# KiCad board EKO_Miner_PowerBoard-53667.kicad_pcb (continued)
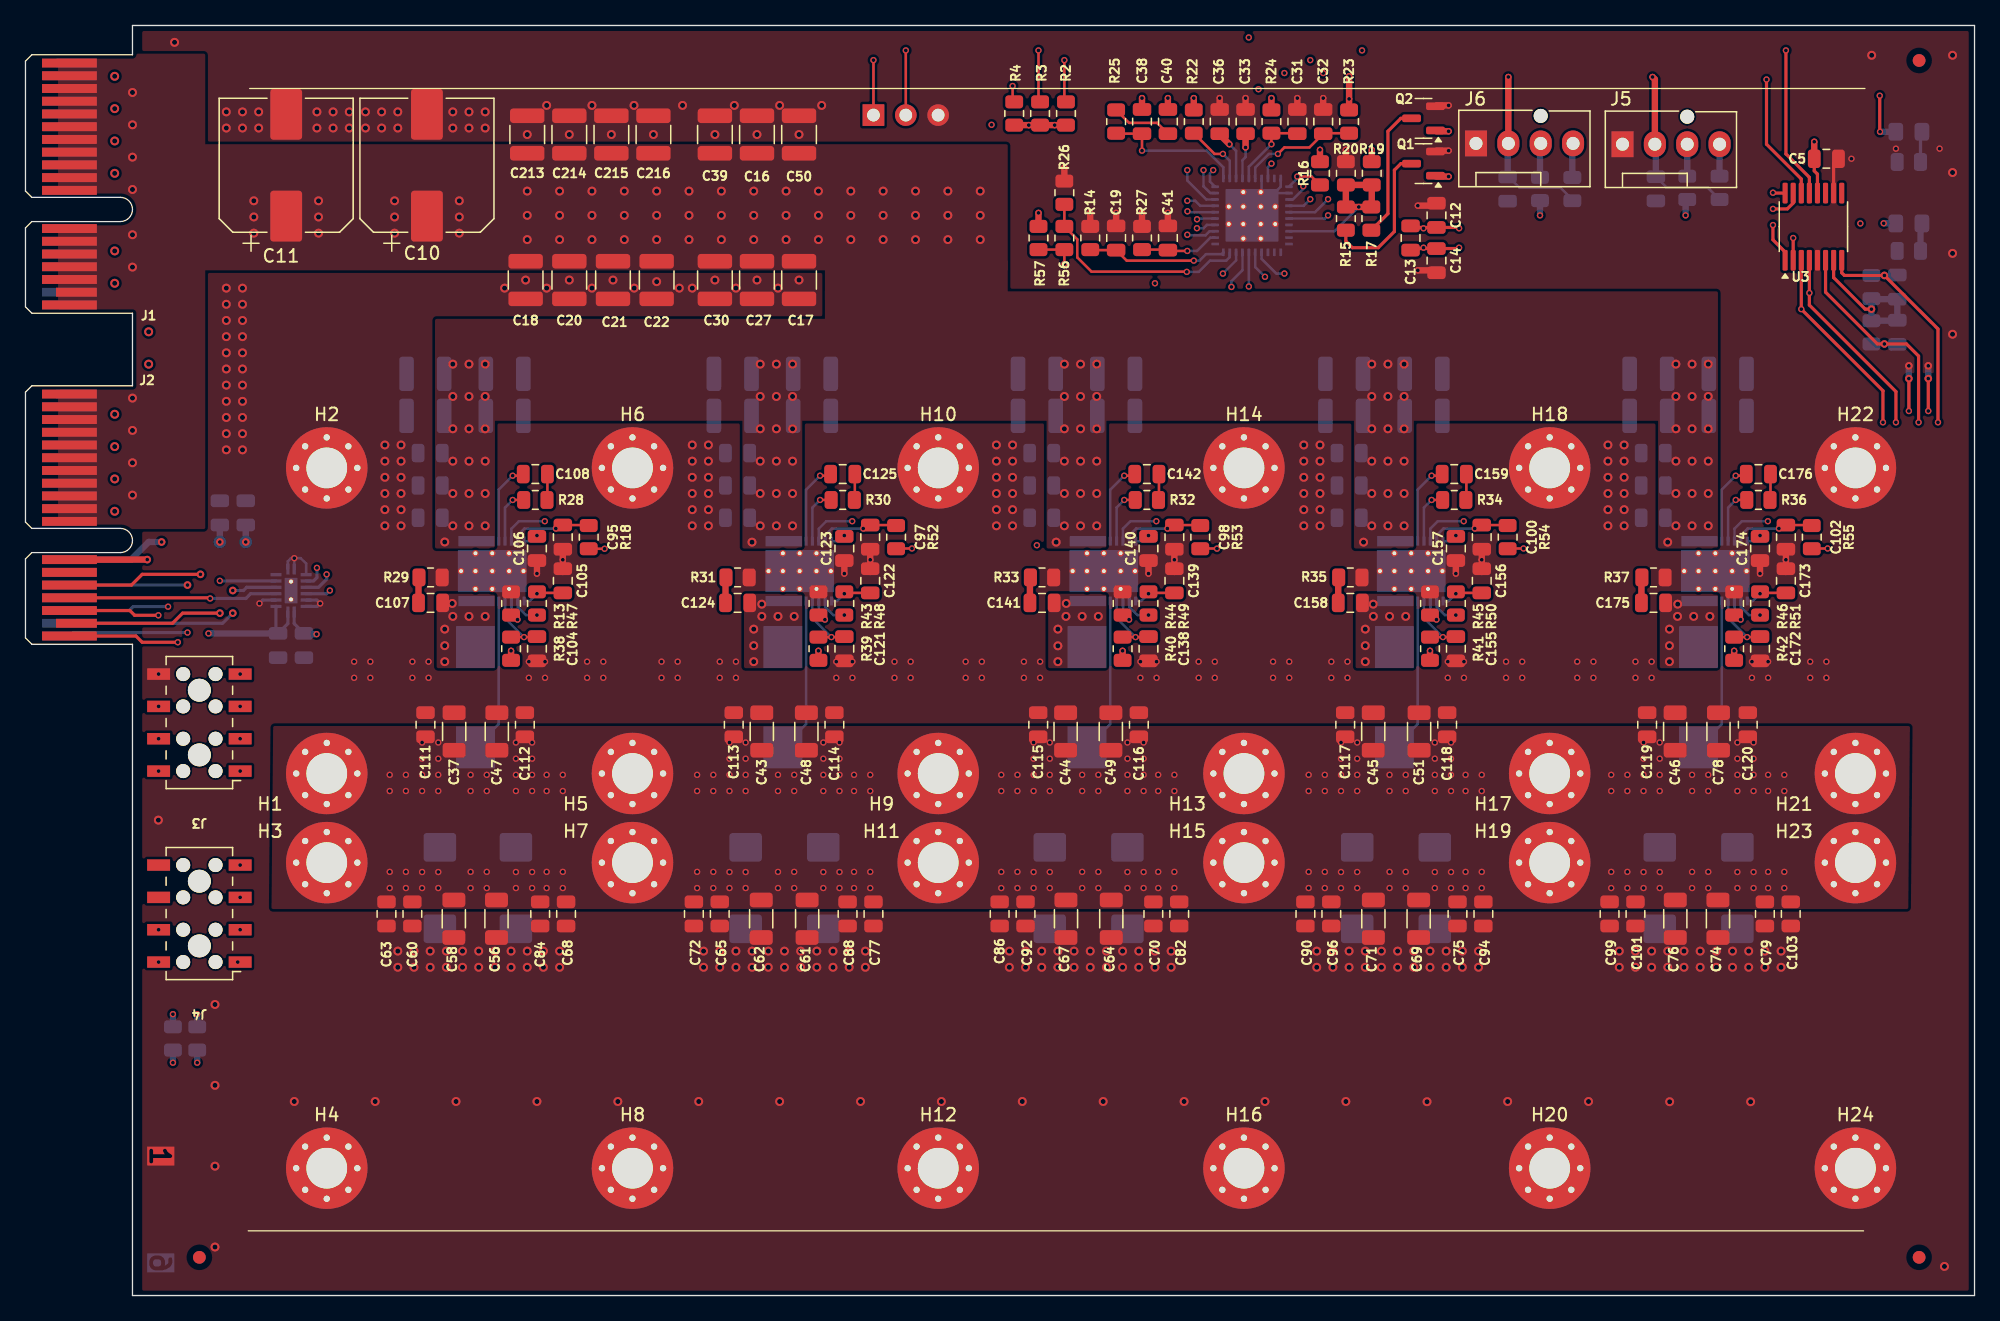
[diagram p0: board, top side]
## Routing (per net, layer and track width the routed paths; a pad name or vN(x,y) marks a point on that pad's centre or on a via; arc(x,y) is an arc through that point) (continued)
/PSU_53667/ADDR-TRISE: length 13.7
  Top w0.5: R17.1 R15.1 R20.1 R19.2 105.68,85.53
  Bottom w0.2: v2(104.67,85.49) 102.76,83.59 U4.28
/PSU_53667/FCCM: length 132.7
  Top w0.2: R57.1 R56.1 v2(81.55,81.03) ; 68.34,58.67 v2(69.59,58.67) ; 92.22,58.67 93.52,58.67 v2(93.53,58.66) ; 116.35,58.67 v2(117.6,58.67) ; 140.23,58.67 v2(141.47,58.67) ; R18.1 v2(45.46,58.65)
  In2.Cu w0.2: v2(79.39,58.93) 79.39,78.87 v2(81.55,81.03)
  In3.Cu w0.2: v2(141.47,58.67) 135.4,58.67 134.78,59.29 130.81,59.29 129.81,58.29 127.63,58.29 126.64,59.29 118.21,59.29 v2(117.6,58.67) 111.4,58.67 110.78,59.29 106.81,59.29 105.94,58.42 103.63,58.42 102.76,59.29 94.16,59.29 v2(93.53,58.66) 93.52,58.67 87.76,58.67 87.15,59.29 82.93,59.29 82.06,58.42 79.9,58.42 v2(79.39,58.93) 69.84,58.93 v2(69.59,58.67) 63.39,58.67 62.78,59.29 58.93,59.29 58.06,58.42 56.03,58.42 55.77,58.67 45.48,58.67 v2(45.46,58.65)
/PSU_53667/TPS_CSP1: length 75.2
  In2.Cu w0.2: v2(91.2,83.31) 78,83.31 71.52,76.84 51.2,76.84 43.2,68.83 43.2,56.49 v2(40.15,53.44)
  Bottom w0.2: U9.2 38.64,54.08 39.28,53.44 v2(40.15,53.44) ; U4.3 92.94,83.59 92.63,83.27 91.25,83.27 v2(91.2,83.31)
/PSU_53667/TPS_CSP2: length 52.3
  In2.Cu w0.2: v2(64.28,53.44) 67.33,56.49 67.33,69.85 79.52,82.04 89.68,82.04 90.23,82.59 91.43,82.59 91.97,83.13 91.97,83.82 v2(91.96,83.83)
  Bottom w0.2: v2(91.96,83.83) 91.97,83.82 92.47,83.82 92.74,84.09 U4.4 ; U10.2 62.77,54.08 63.41,53.44 v2(64.28,53.44)
/PSU_53667/TPS_CSP3: length 37.5
  In2.Cu w0.2: v2(88.16,53.44) 91.2,56.49 91.2,68.2 92.98,69.98 92.98,84.07 92.53,84.53 v2(91.97,84.53)
  Bottom w0.2: v2(88.16,53.44) 87.29,53.44 86.65,54.08 U11.2 ; U4.5 92.03,84.59 v2(91.97,84.53)
/PSU_53667/TPS_CSP4: length 54.9
  In2.Cu w0.2: v2(91.21,85.15) 93.24,85.15 93.55,84.84 98.57,84.84 106.83,76.58 112.54,76.58 115.33,73.79 115.33,56.49 v2(112.29,53.44)
  Bottom w0.2: v2(91.21,85.15) 91.28,85.09 U4.6 ; v2(112.29,53.44) 111.42,53.44 110.78,54.08 U12.2
/PSU_53667/TPS_CSP5: length 77.3
  In2.Cu w0.2: v2(91.2,85.98) 91.33,86.11 99.21,86.11 106.57,78.74 130.76,78.74 139.21,70.29 139.21,56.49 v2(136.16,53.44)
  Bottom w0.2: U13.2 134.66,54.08 135.3,53.44 v2(136.16,53.44) ; v2(91.2,85.98) 91.83,85.98 92.22,85.59 U4.7
/PSU_53667/TPS_PWM1: length 69.3
  In4.Cu w0.2: v2(94,80.26) 90.7,76.96 53.36,76.96 40.77,64.37 v2(40.77,60.81)
  Bottom w0.2: v2(40.77,60.81) 38.73,60.81 38.14,60.22 U9.10 ; v2(94,80.26) 95.03,81.3 U4.38
/PSU_53667/TPS_PWM2: length 68.9
  In4.Cu w0.2: v2(64.9,60.81) 64.9,66.4 66.76,68.26 arc(66.83,68.43) 66.76,68.6 66.39,68.97 arc(66.32,69.14) 66.39,69.31 66.48,69.4 arc(66.65,69.47) 66.82,69.4 67.89,68.32 arc(68.06,68.25) 68.23,68.32 68.31,68.41 arc(68.38,68.58) 68.31,68.75 67.24,69.82 arc(67.17,69.99) 67.24,70.16 67.32,70.24 arc(67.49,70.32) 67.66,70.24 68.74,69.17 arc(68.91,69.1) 69.08,69.17 69.16,69.25 arc(69.23,69.42) 69.16,69.59 68.09,70.67 arc(68.02,70.84) 68.09,71.01 68.17,71.09 arc(68.34,71.16) 68.51,71.09 69.59,70.02 arc(69.76,69.95) 69.93,70.02 70.01,70.1 arc(70.08,70.27) 70.01,70.44 68.94,71.52 arc(68.87,71.69) 68.94,71.86 69.02,71.94 arc(69.19,72.01) 69.36,71.94 70.44,70.87 arc(70.61,70.8) 70.78,70.87 70.86,70.95 arc(70.93,71.12) 70.86,71.29 69.79,72.37 arc(69.71,72.54) 69.79,72.71 69.87,72.79 arc(70.04,72.86) 70.21,72.79 71.28,71.72 arc(71.45,71.65) 71.62,71.72 71.71,71.8 arc(71.78,71.97) 71.71,72.14 70.63,73.21 arc(70.56,73.38) 70.63,73.55 70.72,73.64 arc(70.89,73.71) 71.06,73.64 72.13,72.56 arc(72.3,72.49) 72.47,72.56 72.56,72.65 arc(72.63,72.82) 72.56,72.99 72.19,73.36 arc(72.12,73.53) 72.19,73.7 73.68,75.18 90.64,75.18 v2(94.67,79.21)
  Bottom w0.2: v2(94.67,79.21) 94.67,79.66 95.53,80.53 U4.37 ; U10.10 62.27,60.22 62.86,60.81 v2(64.9,60.81)
/PSU_53667/TPS_PWM3: length 68.4
  In4.Cu w0.2: v2(96.03,79.25) 96.03,77.26 arc(96.1,77.09) 96.27,77.02 97.5,77.02 arc(97.67,76.95) 97.74,76.78 97.74,76.66 arc(97.67,76.49) 97.5,76.42 95.01,76.42 arc(94.84,76.35) 94.77,76.18 94.77,76.06 arc(94.84,75.89) 95.01,75.82 95.79,75.82 arc(95.96,75.75) 96.03,75.58 96.03,74.93 95.51,74.41 arc(95.35,74.34) 95.18,74.41 94.31,75.28 arc(94.14,75.35) 93.97,75.28 93.88,75.2 arc(93.81,75.03) 93.88,74.86 95.96,72.78 arc(96.03,72.61) 95.96,72.44 95.88,72.36 arc(95.71,72.29) 95.54,72.36 93.46,74.44 arc(93.29,74.51) 93.12,74.44 93.03,74.35 arc(92.96,74.18) 93.03,74.01 95.11,71.93 arc(95.18,71.76) 95.11,71.59 95.03,71.51 arc(94.86,71.44) 94.69,71.51 92.61,73.59 arc(92.44,73.66) 92.27,73.59 92.18,73.5 arc(92.11,73.33) 92.18,73.16 94.26,71.08 arc(94.33,70.91) 94.26,70.74 94.18,70.66 arc(94.01,70.59) 93.84,70.66 91.76,72.74 arc(91.59,72.81) 91.42,72.74 91.34,72.65 arc(91.27,72.48) 91.34,72.31 93.41,70.24 arc(93.48,70.07) 93.41,69.9 93.33,69.81 arc(93.16,69.74) 92.99,69.81 90.91,71.89 arc(90.74,71.96) 90.57,71.89 90.49,71.81 arc(90.42,71.64) 90.49,71.47 92.57,69.39 arc(92.64,69.22) 92.57,69.05 92.48,68.96 arc(92.31,68.89) 92.14,68.96 90.06,71.04 arc(89.89,71.11) 89.72,71.04 89.64,70.96 arc(89.57,70.79) 89.64,70.62 90.51,69.75 arc(90.58,69.58) 90.51,69.41 90.19,69.09 90.19,62.23 v2(88.77,60.81)
  Bottom w0.2: U4.36 v2(96.03,79.25) ; U11.10 86.15,60.22 86.74,60.81 v2(88.77,60.81)
/PSU_53667/TPS_PWM4: length 68.4
  In4.Cu w0.2: v2(112.9,60.81) 112.9,63.61 arc(112.97,63.78) 113.14,63.85 113.66,63.85 arc(113.83,63.92) 113.9,64.09 113.9,64.21 arc(113.83,64.38) 113.66,64.45 112.14,64.45 arc(111.97,64.52) 111.9,64.69 111.9,64.81 arc(111.97,64.98) 112.14,65.05 113.66,65.05 arc(113.83,65.12) 113.9,65.29 113.9,65.41 arc(113.83,65.58) 113.66,65.65 112.14,65.65 arc(111.97,65.72) 111.9,65.89 111.9,66.01 arc(111.97,66.18) 112.14,66.25 113.66,66.25 arc(113.83,66.32) 113.9,66.49 113.9,66.61 arc(113.83,66.78) 113.66,66.85 112.14,66.85 arc(111.97,66.92) 111.9,67.09 111.9,67.21 arc(111.97,67.38) 112.14,67.45 113.66,67.45 arc(113.83,67.52) 113.9,67.69 113.9,67.81 arc(113.83,67.98) 113.66,68.05 112.14,68.05 arc(111.97,68.12) 111.9,68.29 111.9,68.41 arc(111.97,68.58) 112.14,68.65 113.66,68.65 arc(113.83,68.72) 113.9,68.89 113.9,69.01 arc(113.83,69.18) 113.66,69.25 112.14,69.25 arc(111.97,69.32) 111.9,69.49 111.9,69.61 arc(111.97,69.78) 112.14,69.85 113.66,69.85 arc(113.83,69.92) 113.9,70.09 113.9,70.21 arc(113.83,70.38) 113.66,70.45 112.14,70.45 arc(111.97,70.52) 111.9,70.69 111.9,70.81 arc(111.97,70.98) 112.14,71.05 113.66,71.05 arc(113.83,71.12) 113.9,71.29 113.9,71.41 arc(113.83,71.58) 113.66,71.65 113.14,71.65 arc(112.97,71.72) 112.9,71.89 112.9,72.54 112.53,72.91 arc(112.45,73.08) 112.53,73.25 112.89,73.62 arc(112.96,73.79) 112.89,73.96 112.81,74.04 arc(112.64,74.11) 112.47,74.04 111.39,72.97 arc(111.22,72.9) 111.05,72.97 110.97,73.05 arc(110.9,73.22) 110.97,73.39 112.04,74.47 arc(112.11,74.64) 112.04,74.81 111.96,74.89 arc(111.79,74.96) 111.62,74.89 110.55,73.82 arc(110.38,73.75) 110.21,73.82 110.12,73.9 arc(110.05,74.07) 110.12,74.24 111.2,75.32 arc(111.27,75.49) 111.2,75.66 111.11,75.74 arc(110.94,75.81) 110.77,75.74 110.4,75.37 arc(110.23,75.3) 110.06,75.37 109.75,75.69 101.62,75.69 v2(97.3,80.01)
  Bottom w0.2: U4.35 96.53,80.78 v2(97.3,80.01) ; U12.10 110.28,60.22 110.87,60.81 v2(112.9,60.81)
/PSU_53667/TPS_PWM5: length 68.9
  In4.Cu w0.2: v2(98.82,80.26) 99.97,80.26 102.25,77.98 125.4,77.98 arc(125.56,78.05) 125.64,78.22 125.64,78.86 arc(125.71,79.03) 125.88,79.1 126,79.1 arc(126.16,79.03) 126.24,78.86 126.24,77.1 arc(126.31,76.93) 126.48,76.86 126.6,76.86 arc(126.76,76.93) 126.84,77.1 126.84,78.86 arc(126.91,79.03) 127.08,79.1 127.2,79.1 arc(127.36,79.03) 127.44,78.86 127.44,77.1 arc(127.51,76.93) 127.68,76.86 127.8,76.86 arc(127.96,76.93) 128.04,77.1 128.04,78.86 arc(128.11,79.03) 128.28,79.1 128.4,79.1 arc(128.56,79.03) 128.64,78.86 128.64,78.22 arc(128.71,78.05) 128.88,77.98 130.32,77.98 136.78,71.52 v2(136.78,60.81)
  Bottom w0.2: U4.34 97.03,81.42 98.19,80.26 v2(98.82,80.26) ; v2(136.78,60.81) 134.75,60.81 134.16,60.22 U13.10
/PSU_53667/TSEN: length 136.5
  Top w0.2: 83.62,82.11 C19.1 86.44,81.28 v2(91.71,81.28)
  In2.Cu w0.2: v2(91.71,81.28) 91.71,72.01 88.16,68.45 v2(88.16,59.69)
  In3.Cu w0.2: v2(40.15,59.69) 56.63,59.69 56.76,59.82 57.3,59.82 57.43,59.69 v2(64.28,59.69) 80.51,59.69 80.64,59.82 81.18,59.82 81.31,59.69 v2(88.16,59.69) 104.64,59.69 104.77,59.82 105.31,59.82 105.44,59.69 v2(112.29,59.69) 128.51,59.69 128.64,59.82 129.18,59.82 129.31,59.69 v2(136.16,59.69)
  Bottom w0.2: U13.12 135.72,59.25 v2(136.16,59.69) ; U11.12 87.71,59.25 v2(88.16,59.69) ; U10.12 63.84,59.25 v2(64.28,59.69) ; v2(112.29,59.69) 111.84,59.25 U12.12 ; U9.12 39.71,59.25 v2(40.15,59.69) ; U4.40 93.89,81.79 92.67,81.79 92.16,81.28 v2(91.71,81.28)
/PSU_53667/VR_RDY: length 60.4
  Top w0.25: v2(145.56,94.23) 145.56,91.42 v2(145.58,91.4)
  In2.Cu w0.2: v2(96.79,94.74) 112.79,94.74 113.3,94.23 v2(145.56,94.23)
  In3.Cu w0.2: v2(96.79,94.74) 96.79,89.92 v2(97.81,88.9)
  Bottom w0.2: v2(97.81,88.9) 97.53,88.63 U4.18
  Bottom w0.5: 146.6,91.4 v2(145.58,91.4)
/PSU_53667/VSENSE+: length 292.8
  Top w0.25: 108.85,83.89 C12.2 112.47,83.89 v2(112.54,83.82)
  In2.Cu w0.2: 92.47,88.38 v2(92.47,88.39)
  In2.Cu w0.25: v2(92.47,88.39) 92.47,88.65 92.8,88.97 93.93,88.97 94.76,88.14 98.06,88.14 99.08,89.15 103.52,89.15 108.86,83.82 v2(109.75,83.82) ; v2(112.54,83.82) 113.11,83.25 129.36,83.25 136.29,76.33 148.35,76.33 151.72,72.96 151.72,5.91 147.09,1.27 19.7,1.27 12.27,8.7 12.27,17.59 v2(11.58,18.29)
  Bottom w0.2: U4.9 93.01,86.59 92.47,87.12 v2(92.47,88.39)
  Bottom w0.5: 11.58,19.3 v2(11.58,18.29)
/PSU_53667/VSENSE-: length 289
  Top w0.25: v2(112.54,82.3) 112.47,82.23 C14.1 108.85,82.23
  In2.Cu w0.25: v2(93.24,88.39) 93.87,88.39 94.57,87.69 98.25,87.69 99.21,88.65 103.4,88.65 v2(109.75,82.3) ; v2(13.48,18.29) 12.72,17.53 12.72,8.89 19.89,1.72 146.9,1.72 151.28,6.1 151.28,72.77 148.17,75.88 136.1,75.88 129.18,82.8 113.05,82.8 v2(112.54,82.3)
  Bottom w0.2: v2(93.24,88.39) 92.98,88.14 92.98,87.49 U4.10
  Bottom w0.5: 13.48,19.3 v2(13.48,18.29)
/RO: length 17.5
  In2.Cu w0.2: v2(16.85,46.27) 18.87,46.27 23.7,51.1 23.7,52.9 22.2,54.4 22.2,56.47 v2(22.88,57.15)
  Bottom w0.25: U2.11 22.61,56.12 22.88,56.39 v2(22.88,57.15)
/RST_ASICn: length 16.4
  Top w0.25: J2.B15 14.44,54.8 v2(14.5,54.75)
  Bottom w0.25: v2(14.5,54.75) 17.3,54.75 17.68,55.12 U2.4
/RST_BUCKn: length 145.3
  Top w0.2: R16.2 100.96,87.88 v2(99.84,87.88)
  In2.Cu w0.25: v3(12.72,55.8) 12.97,56.05 12.97,92.96 16.02,96.01 v2(98.82,96.01)
  In3.Cu w0.2: v2(99.84,87.88) 99.84,92.46 98.82,93.47 v2(98.82,96.01)
  Bottom w0.2: v2(99.84,87.88) 99.84,87.74 U4.21
  Bottom w0.25: J2.A14 v3(12.72,55.8)
/RSTIn: length 19.6
  In2.Cu w0.25: v2(16.85,41.19) 16.85,42.25 24.53,49.92 24.53,54.74 v2(23.89,55.37)
  Bottom w0.25: v2(23.89,55.37) 23.64,55.12 U2.13
/SCL: length 215.5
  Top w0.2: v2(81.55,97.03) 81.55,93.88 ; J9.1 v2(66.57,97.03)
  Top w0.25: U3.14 139.4,87.69 136.67,90.42 v2(136.67,95.5)
  In2.Cu w0.25: v2(136.67,95.5) 129.69,95.5 128.16,97.03 v2(81.55,97.03) 15.77,97.03 12.21,93.47 12.21,57.4 11.19,56.39 v2(11.19,54.1) 11.19,50.55 11.48,50.27 11.48,44.75 v2(10.45,43.73)
  In3.Cu w0.2: v2(100.86,97.03) v2(100.86,86.11)
  Bottom w0.2: v2(100.86,86.11) 100.34,85.59 U4.24
  Bottom w0.25: v2(11.19,54.1) 8.45,54.1 8.15,53.8 J2.A16
/SDA: length 222.4
  Top w0.2: 79.52,93.88 v2(79.52,97.79) ; J9.2 v2(69.11,97.79)
  Top w0.25: v2(138.19,97.79) 138.19,89.66 140.04,87.82 U3.13 ; J2.B16 8.19,53.8 8.57,53.42 v2(10.43,53.42)
  In2.Cu w0.25: v2(10.45,46.27) 11.03,46.84 11.03,49.88 10.43,50.47 v2(10.43,53.42) 10.43,56.9 11.52,57.98 11.52,93.79 15.51,97.79 v2(79.52,97.79) v2(138.19,97.79)
  In3.Cu w0.2: v2(102.25,84.84) 102.76,84.84 104.92,87 v2(104.92,97.79)
  Bottom w0.2: v2(102.25,84.84) 102,84.59 U4.26
/VSN: length 8.9
  In2.Cu w0.5: v2(10.45,28.73) 11.3,27.88 11.3,25.5 13.48,23.32 v2(13.48,22.1)
  Bottom w0.5: 13.48,21.08 v2(13.48,22.1)
/VSP: length 5.6
  In2.Cu w0.5: v2(11.58,22.1) 10.45,23.22 v2(10.45,26.19)
  Bottom w0.5: 11.58,21.08 v2(11.58,22.1)
VPWR_ASIC: length 61.2
  Bottom w0.2: 59.45,43.06 61.28,44.88 61.28,54.54 ; 85.16,54.54 85.16,44.88 L3.2 ; 133.16,54.54 133.16,44.88 L5.2 ; 109.28,54.54 109.28,44.88 L4.2 ; 35.32,43.06 37.15,44.88 37.15,54.54
  vias: v2(28.59,40.89) v2(28.59,39.62) v2(28.59,33.27) v2(28.59,32) v2(29.86,40.89) v2(29.86,39.62) v2(29.86,33.27) v2(29.86,32) v2(31.13,43.43) v2(31.13,42.16) v2(31.13,40.89) v2(31.13,39.62) v2(31.13,33.26) v2(31.13,32) v2(32.4,43.43) v2(32.4,42.16) v2(32.4,40.89) v2(32.4,39.62) v2(32.4,33.26) v2(32.4,32) v2(34.94,40.89) v2(34.94,39.62) v2(34.94,33.27) v2(34.94,32) v2(36.21,40.89) v2(36.21,39.62) v2(36.21,33.27) v2(36.21,32) v2(38.5,43.43) v2(38.5,42.16) v2(38.5,40.89) v2(38.5,39.62) v2(38.5,33.26) v2(38.5,32) v2(39.77,43.43) v2(39.77,42.16) v2(39.77,40.89) v2(39.77,39.62) v2(39.77,33.26) v2(39.77,32) v2(40.91,40.89) v2(40.91,39.62) v2(40.91,33.27) v2(40.91,32) v2(42.18,40.89) v2(42.18,39.62) v2(42.18,33.27) v2(42.18,32) v2(52.72,40.89) v2(52.72,39.62) v2(52.72,33.27) v2(52.72,32) v2(53.99,40.89) v2(53.99,39.62) v2(53.99,33.27) v2(53.99,32) v2(55.26,43.43) v2(55.26,42.16) v2(55.26,40.89) v2(55.26,39.62) v2(55.26,33.26) v2(55.26,32) v2(56.53,43.43) v2(56.53,42.16) v2(56.53,40.89) v2(56.53,39.62) v2(56.53,33.26) v2(56.53,32) v2(59.07,40.89) v2(59.07,39.62) v2(59.07,33.27) v2(59.07,32) v2(60.34,40.89) v2(60.34,39.62) v2(60.34,33.27) v2(60.34,32) v2(62.63,43.43) v2(62.63,42.16) v2(62.63,40.89) v2(62.63,39.62) v2(62.63,33.26) v2(62.63,32) v2(63.9,43.43) v2(63.9,42.16) v2(63.9,40.89) v2(63.9,39.62) v2(63.9,33.26) v2(63.9,32) v2(65.04,40.89) v2(65.04,39.62) v2(65.04,33.27) v2(65.04,32) v2(66.31,40.89) v2(66.31,39.62) v2(66.31,33.27) v2(66.31,32) v2(76.6,40.89) v2(76.6,39.62) v2(76.6,33.27) v2(76.6,32) v2(77.87,40.89) v2(77.87,39.62) v2(77.87,33.27) v2(77.87,32) v2(79.14,43.43) v2(79.14,42.16) v2(79.14,40.89) v2(79.14,39.62) v2(79.14,33.26) v2(79.14,32) v2(80.41,43.43) v2(80.41,42.16) v2(80.41,40.89) v2(80.41,39.62) v2(80.41,33.26) v2(80.41,32) v2(82.95,40.89) v2(82.95,39.62) v2(82.95,33.27) v2(82.95,32) v2(84.22,40.89) v2(84.22,39.62) v2(84.22,33.27) v2(84.22,32) v2(86.5,43.43) v2(86.5,42.16) v2(86.5,40.89) v2(86.5,39.62) v2(86.5,33.26) v2(86.5,32) v2(87.78,43.43) v2(87.78,42.16) v2(87.78,40.89) v2(87.78,39.62) v2(87.77,33.26) v2(87.78,32) v2(88.92,40.89) v2(88.92,39.62) v2(88.92,33.27) v2(88.92,32) v2(90.19,40.89) v2(90.19,39.62) v2(90.19,33.27) v2(90.19,32) v2(100.73,40.89) v2(100.73,39.62) v2(100.73,33.27) v2(100.73,32) v2(102,40.89) v2(102,39.62) v2(102,33.27) v2(102,32) v2(103.27,43.43) v2(103.27,42.16) v2(103.27,40.89) v2(103.27,39.62) v2(103.27,33.26) v2(103.27,32) v2(104.54,43.43) v2(104.54,42.16) v2(104.54,40.89) v2(104.54,39.62) v2(104.54,33.26) v2(104.54,32) v2(107.08,40.89) v2(107.08,39.62) v2(107.08,33.27) v2(107.08,32) v2(108.35,40.89) v2(108.35,39.62) v2(108.35,33.27) v2(108.35,32) v2(110.64,43.43) v2(110.64,42.16) v2(110.64,40.89) v2(110.64,39.62) v2(110.63,33.26) v2(110.64,32) v2(111.91,43.43) v2(111.91,42.16) v2(111.91,40.89) v2(111.91,39.62) v2(111.9,33.26) v2(111.91,32) v2(113.05,40.89) v2(113.05,39.62) v2(113.05,33.27) v2(113.05,32) v2(114.32,40.89) v2(114.32,39.62) v2(114.32,33.27) v2(114.32,32) v2(124.48,40.89) v2(124.48,39.62) v2(124.48,33.27) v2(124.48,32) v2(125.75,40.89) v2(125.75,39.62) v2(125.75,33.27) v2(125.75,32) v2(127.02,43.43) v2(127.02,42.16) v2(127.02,40.89) v2(127.02,39.62) v2(127.02,33.26) v2(127.02,32) v2(128.29,43.43) v2(128.29,42.16) v2(128.29,40.89) v2(128.29,39.62) v2(128.29,33.26) v2(128.29,32) v2(130.83,40.89) v2(130.83,39.62) v2(130.83,33.27) v2(130.83,32) v2(132.1,40.89) v2(132.1,39.62) v2(132.1,33.27) v2(132.1,32) v2(134.38,43.43) v2(134.38,42.16) v2(134.38,40.89) v2(134.38,39.62) v2(134.38,33.26) v2(134.38,32) v2(135.65,43.43) v2(135.65,42.16) v2(135.65,40.89) v2(135.65,39.62) v2(135.65,33.26) v2(135.65,32) v2(136.8,40.89) v2(136.8,39.62) v2(136.8,33.27) v2(136.8,32) v2(138.07,40.89) v2(138.07,39.62) v2(138.07,33.27) v2(138.07,32)
Net-(C40-Pad1): length 4.8
  Top w0.2: C40.1 88.83,92.1 86.63,92.1 R25.1
Net-(C107-Pad2): length 2
  Top w0.5: C107.2 30.85,56.36 R29.2
Net-(C108-Pad1): length 2
  Top w0.2: C108.1 40.97,62.52
Net-(C124-Pad2): length 2
  Top w0.5: C124.2 54.95,56.36 R31.2
Net-(C125-Pad1): length 2
  Top w0.2: C125.1 65.1,62.52
Net-(C141-Pad2): length 2
  Top w0.5: R33.2 78.85,56.36 C141.2
Net-(C142-Pad1): length 2
  Top w0.2: C142.1 88.98,62.52
Net-(C158-Pad2): length 2
  Top w0.5: C158.2 103.05,56.36 R35.2
Net-(C159-Pad1): length 2
  Top w0.2: 113.11,64.52 113.11,62.52
Net-(C175-Pad2): length 2
  Top w0.2: 126.85,56.36 R37.2
  Top w0.5: C175.2 126.85,56.36
Net-(C176-Pad1): length 2
  Top w0.2: 136.99,64.52 136.99,62.52
Net-(D1-K): length 2
  Bottom w0.5: R1.2 148.76,84.09
Net-(D2-K): length 2.4
  Bottom w0.254: R21.2 148.76,91.29 D2.1
Net-(Q1-D): length 11.8
  Top w0.25: Q1.3 107.97,88.9 107.46,88.39 107.46,83.57 106.19,82.3 104.16,82.3 103.65,82.8 R15.2
Net-(Q2-D): length 10.6
  Top w0.25: Q2.3 107.97,92.46 106.95,91.44 106.95,84.97 R17.2
Net-(U3-REF): length 13.1
  Top w0.25: U3.7 141.94,79.95 144.42,77.47 v3(144.91,77.47)
  Bottom w0.5: 147.07,76.56 R5.1 v3(144.91,77.47) R6.2 ; 146.94,78.25 C6.2 ; 144.91,78.25 147.07,78.25
Net-(U4-COMP): length 11.1
  Top w0.2: 85.65,91.25 C38.1 v2(87.65,89.92)
  Bottom w0.2: U4.11 94.03,88.61 92.73,89.92 v2(87.65,89.92)
Net-(U4-IMON): length 5.9
  Top w0.2: 89.45,82.15 R27.2 ; v2(91.2,82.04) 89.75,82.04
  Bottom w0.2: v2(91.2,82.04) 91.97,82.04 93.01,83.09 U4.2
Net-(U4-ISUM): length 5.1
  Top w0.2: R22.1 93.34,89.66 v2(94,89.66)
  Bottom w0.2: v2(94,89.66) 94.53,89.13 U4.12
Net-(U4-V5): length 6.3
  Top w0.2: v2(97.81,90.42) R24.2 99.8,91.29
  Bottom w0.2: U4.15 96.03,88.65 v2(97.81,90.42)
Net-(U4-VIN): length 9.3
  Top w0.2: R23.2 101.91,91.29 ; v2(98.32,89.66) 98.82,90.17 100.79,90.17 C32.1
  Bottom w0.2: U4.16 96.53,88.58 97.61,89.66 v2(98.32,89.66)
Net-(U4-~{SKIP}-NVM): length 17.9
  Top w0.2: 91.14,80.41 83.69,80.41 82.57,81.53 82.57,82.95 R56.2 R26.2
  Top w0.4: v2(91.16,80.4) 91.14,80.41
  Bottom w0.2: U4.39 94.53,81.56 94.25,81.28 92.98,81.28 92.1,80.4 91.29,80.4 91.16,80.52
Net-(U9-BOOT): length 4.4
  Top w0.2: v2(38.25,62.48) R28.2
  Bottom w0.2: U9.9 37.64,61.88 v2(38.25,62.48)
Net-(U9-BOOTR): length 6.3
  Top w0.2: v2(38.25,64.39) 38.95,64.39
  Bottom w0.2: U9.8 37.14,63.29 v2(38.25,64.39)
Net-(U9-EN_FCCM): length 5.7
  Top w0.2: C95.2 44.18,60.51
  Bottom w0.2: v2(41.63,60.24) 39.18,60.24 38.64,59.71 U9.11
Net-(U9-LSET): length 1.7
  Bottom w0.2: v2(38.63,53.09) 38.16,53.56 38.16,54.12 38.14,54.13 U9.3
Net-(U9-SW):
  vias: v1(32.91,52.34) v1(32.91,51.04) v1(32.91,49.78) v1(33.5,54.36) v1(33.55,53.34) v1(34.82,53.34) v1(36.09,53.34)
Net-(U9-VDD): length 5.4
  Top w0.2: R38.2 40.11,51.71
  Bottom w0.2: v2(39.13,51.71) 37.64,53.2 U9.4
Net-(U10-BOOT): length 4.4
  Top w0.2: v2(62.38,62.48) R30.2
  Bottom w0.2: U10.9 61.77,61.88 v2(62.38,62.48)
Net-(U10-BOOTR): length 6.3
  Top w0.2: v2(62.38,64.39) 63.08,64.39
  Bottom w0.2: U10.8 61.27,63.29 v2(62.38,64.39)
Net-(U10-EN_FCCM): length 5.7
  Top w0.2: C97.2 68.31,60.51
  Bottom w0.2: U10.11 62.77,59.71 63.31,60.24 v2(65.76,60.24)
Net-(U10-LSET): length 1.7
  Bottom w0.2: v2(62.76,53.09) 62.29,53.56 62.29,54.12 62.27,54.13 U10.3
Net-(U10-SW):
  vias: v1(57.17,52.34) v1(57.17,51.04) v1(57.17,49.78) v1(57.8,54.3) v1(57.8,53.34) v1(59.07,53.34) v1(60.34,53.34)
Net-(U10-VDD): length 5.4
  Top w0.2: R39.2 64.24,51.71
  Bottom w0.2: U10.4 61.77,53.2 v2(63.26,51.71)
Net-(U11-BOOT): length 4.4
  Top w0.2: v2(86.25,62.48) R32.2
  Bottom w0.2: v2(86.25,62.48) 85.65,61.88 U11.9
Net-(U11-BOOTR): length 6.3
  Top w0.2: v2(86.25,64.39) 86.95,64.39
  Bottom w0.2: v2(86.25,64.39) 85.15,63.29 U11.8
Net-(U11-EN_FCCM): length 5.7
  Top w0.2: C98.2 92.18,60.51
  Bottom w0.2: U11.11 86.65,59.71 87.18,60.24 v2(89.64,60.24)
Net-(U11-LSET): length 1.7
  Bottom w0.2: U11.3 86.15,54.13 86.16,54.12 86.16,53.56 v2(86.63,53.09)
Net-(U11-SW):
  vias: v1(81.04,52.34) v1(81.04,51.03) v1(81.04,49.78) v1(81.68,53.34) v1(81.7,54.36) v1(82.95,53.34) v1(84.22,53.34)
Net-(U11-VDD): length 5.4
  Top w0.2: R40.2 88.12,51.71
  Bottom w0.2: U11.4 85.65,53.2 v2(87.14,51.71)
Net-(U12-BOOT): length 4.4
  Top w0.2: v2(110.38,62.48) R34.2
  Bottom w0.2: v2(110.38,62.48) 109.78,61.88 U12.9
Net-(U12-BOOTR): length 6.3
  Top w0.2: v2(110.38,64.39) 111.08,64.39
  Bottom w0.2: U12.8 109.28,63.29 v2(110.38,64.39)
Net-(U12-EN_FCCM): length 5.7
  Top w0.2: C100.2 116.31,60.51
  Bottom w0.2: v2(113.77,60.24) 111.31,60.24 110.78,59.71 U12.11
Net-(U12-LSET): length 1.7
  Bottom w0.2: v2(110.76,53.09) 110.29,53.56 110.29,54.12 110.28,54.13 U12.3
Net-(U12-SW):
  vias: v1(105.17,52.34) v1(105.17,51.04) v1(105.17,49.78) v1(105.8,54.3) v1(105.81,53.34) v1(107.08,53.34) v1(108.35,53.34)
Net-(U12-VDD): length 5.4
  Top w0.2: R41.2 112.25,51.71
  Bottom w0.2: v2(111.27,51.71) 109.78,53.2 U12.4
Net-(U13-BOOT): length 4.4
  Top w0.2: v2(134.26,62.48) R36.2
  Bottom w0.2: U13.9 133.66,61.88 v2(134.26,62.48)
Net-(U13-BOOTR): length 6.3
  Top w0.2: v2(134.26,64.39) 134.96,64.39
  Bottom w0.2: v2(134.26,64.39) 133.16,63.29 U13.8
Net-(U13-EN_FCCM): length 5.7
  Top w0.2: C102.2 140.19,60.51
  Bottom w0.2: v2(137.64,60.24) 135.19,60.24 134.66,59.71 U13.11
Net-(U13-LSET): length 1.7
  Bottom w0.2: U13.3 134.16,54.13 134.17,54.12 134.17,53.56 v2(134.64,53.09)
Net-(U13-SW):
  vias: v1(129.05,52.34) v1(129.05,51.04) v1(129.05,49.78) v1(129.69,53.34) v1(129.7,54.3) v1(130.96,53.34) v1(132.22,53.34)
Net-(U13-VDD): length 5.4
  Top w0.2: R42.2 136.12,51.71
  Bottom w0.2: U13.4 133.66,53.2 v2(135.15,51.71)

## Copper pours and planes (outline as drawn; the poured copper is in the pictures)
+3V3 on In4.Cu: 79.14,90.93 75.46,90.93 75.46,93.09 144.54,93.09 144.54,83.95 79.14,83.95
+12V_PWR on Top, Bottom, In1.Cu: 36.85,74.17 32.15,74.17 32.15,58.67 36.85,58.67
+12V_PWR on Top, Bottom, In1.Cu: 84.85,74.17 80.16,74.17 80.16,58.67 84.85,58.67
+12V_PWR on Top, Bottom, In1.Cu: 108.98,74.17 104.28,74.17 104.28,58.67 108.98,58.67
+12V_PWR on Top, Bottom, In1.Cu: 60.98,74.17 56.28,74.17 56.28,58.67 60.98,58.67
+12V_PWR on Top, Bottom, In1.Cu: 132.86,74.17 128.16,74.17 128.16,58.67 132.86,58.67
+12V_PWR on Top, In1.Cu: 32.15,68.7 132.86,68.7 132.86,78.87 62.76,78.87 62.76,76.71 32.15,76.71
+12V_PWR on Top, In1.Cu: 2.56,60.2 14.12,60.2 14.12,97.54 2.56,97.54
+12V_PWR on Top, In1.Cu: 77.11,78.23 77.11,81.28 62.76,81.28 62.76,78.23
+12V_PWR on Top, In1.Cu: 13.86,80.52 77.11,80.52 77.11,90.42 13.86,90.42
GND on Top, Bottom, In1.Cu, In2.Cu, In3.Cu, In4.Cu: 152.55,0.38 152.55,99.31 9.16,99.31 9.16,0.38
GND on Bottom, In3.Cu, In4.Cu: 2.56,51.05 10.18,51.05 10.18,97.54 2.56,97.54
+VREF on In1.Cu: 86.63,94.36 106.95,94.36 106.95,88.14 86.63,88.14
VPWR_ASIC on Top, Bottom, In1.Cu, In2.Cu: 147.8,30.35 147.93,44.73 19.44,44.73 19.31,30.35
Net-(U9-SW) on Top, Bottom, In1.Cu, In2.Cu: 36.85,55.12 36.85,49.28 32.28,49.28 32.28,55.12
Net-(U10-SW) on Top, Bottom, In1.Cu, In2.Cu: 60.98,55.12 60.98,49.28 56.41,49.28 56.41,55.12
Net-(U11-SW) on Top, Bottom, In1.Cu, In2.Cu: 84.85,55.12 84.85,49.28 80.28,49.28 80.28,55.12
Net-(U12-SW) on Top, Bottom, In1.Cu, In2.Cu: 108.98,55.12 108.98,49.28 104.41,49.28 104.41,55.12
Net-(U13-SW) on Top, Bottom, In1.Cu, In2.Cu: 132.86,55.12 132.86,49.28 128.29,49.28 128.29,55.12

## Text on the board
Bottom: 6
B.Mask: BOX_Miner PowerBoard-53667-01A | Design by Phil31 2024.11
B.Silkscreen: GND SDA SCL | VR_RDY | PWR_ON | 380W max / 0.5/2.5V
Top: 1 | etudier fixation heatsink DC/DC + INDUCTORS
In1.Cu: 2
In2.Cu: 3
In3.Cu: 4
In4.Cu: 5
